# KiCad board Marble.kicad_pcb (continued)
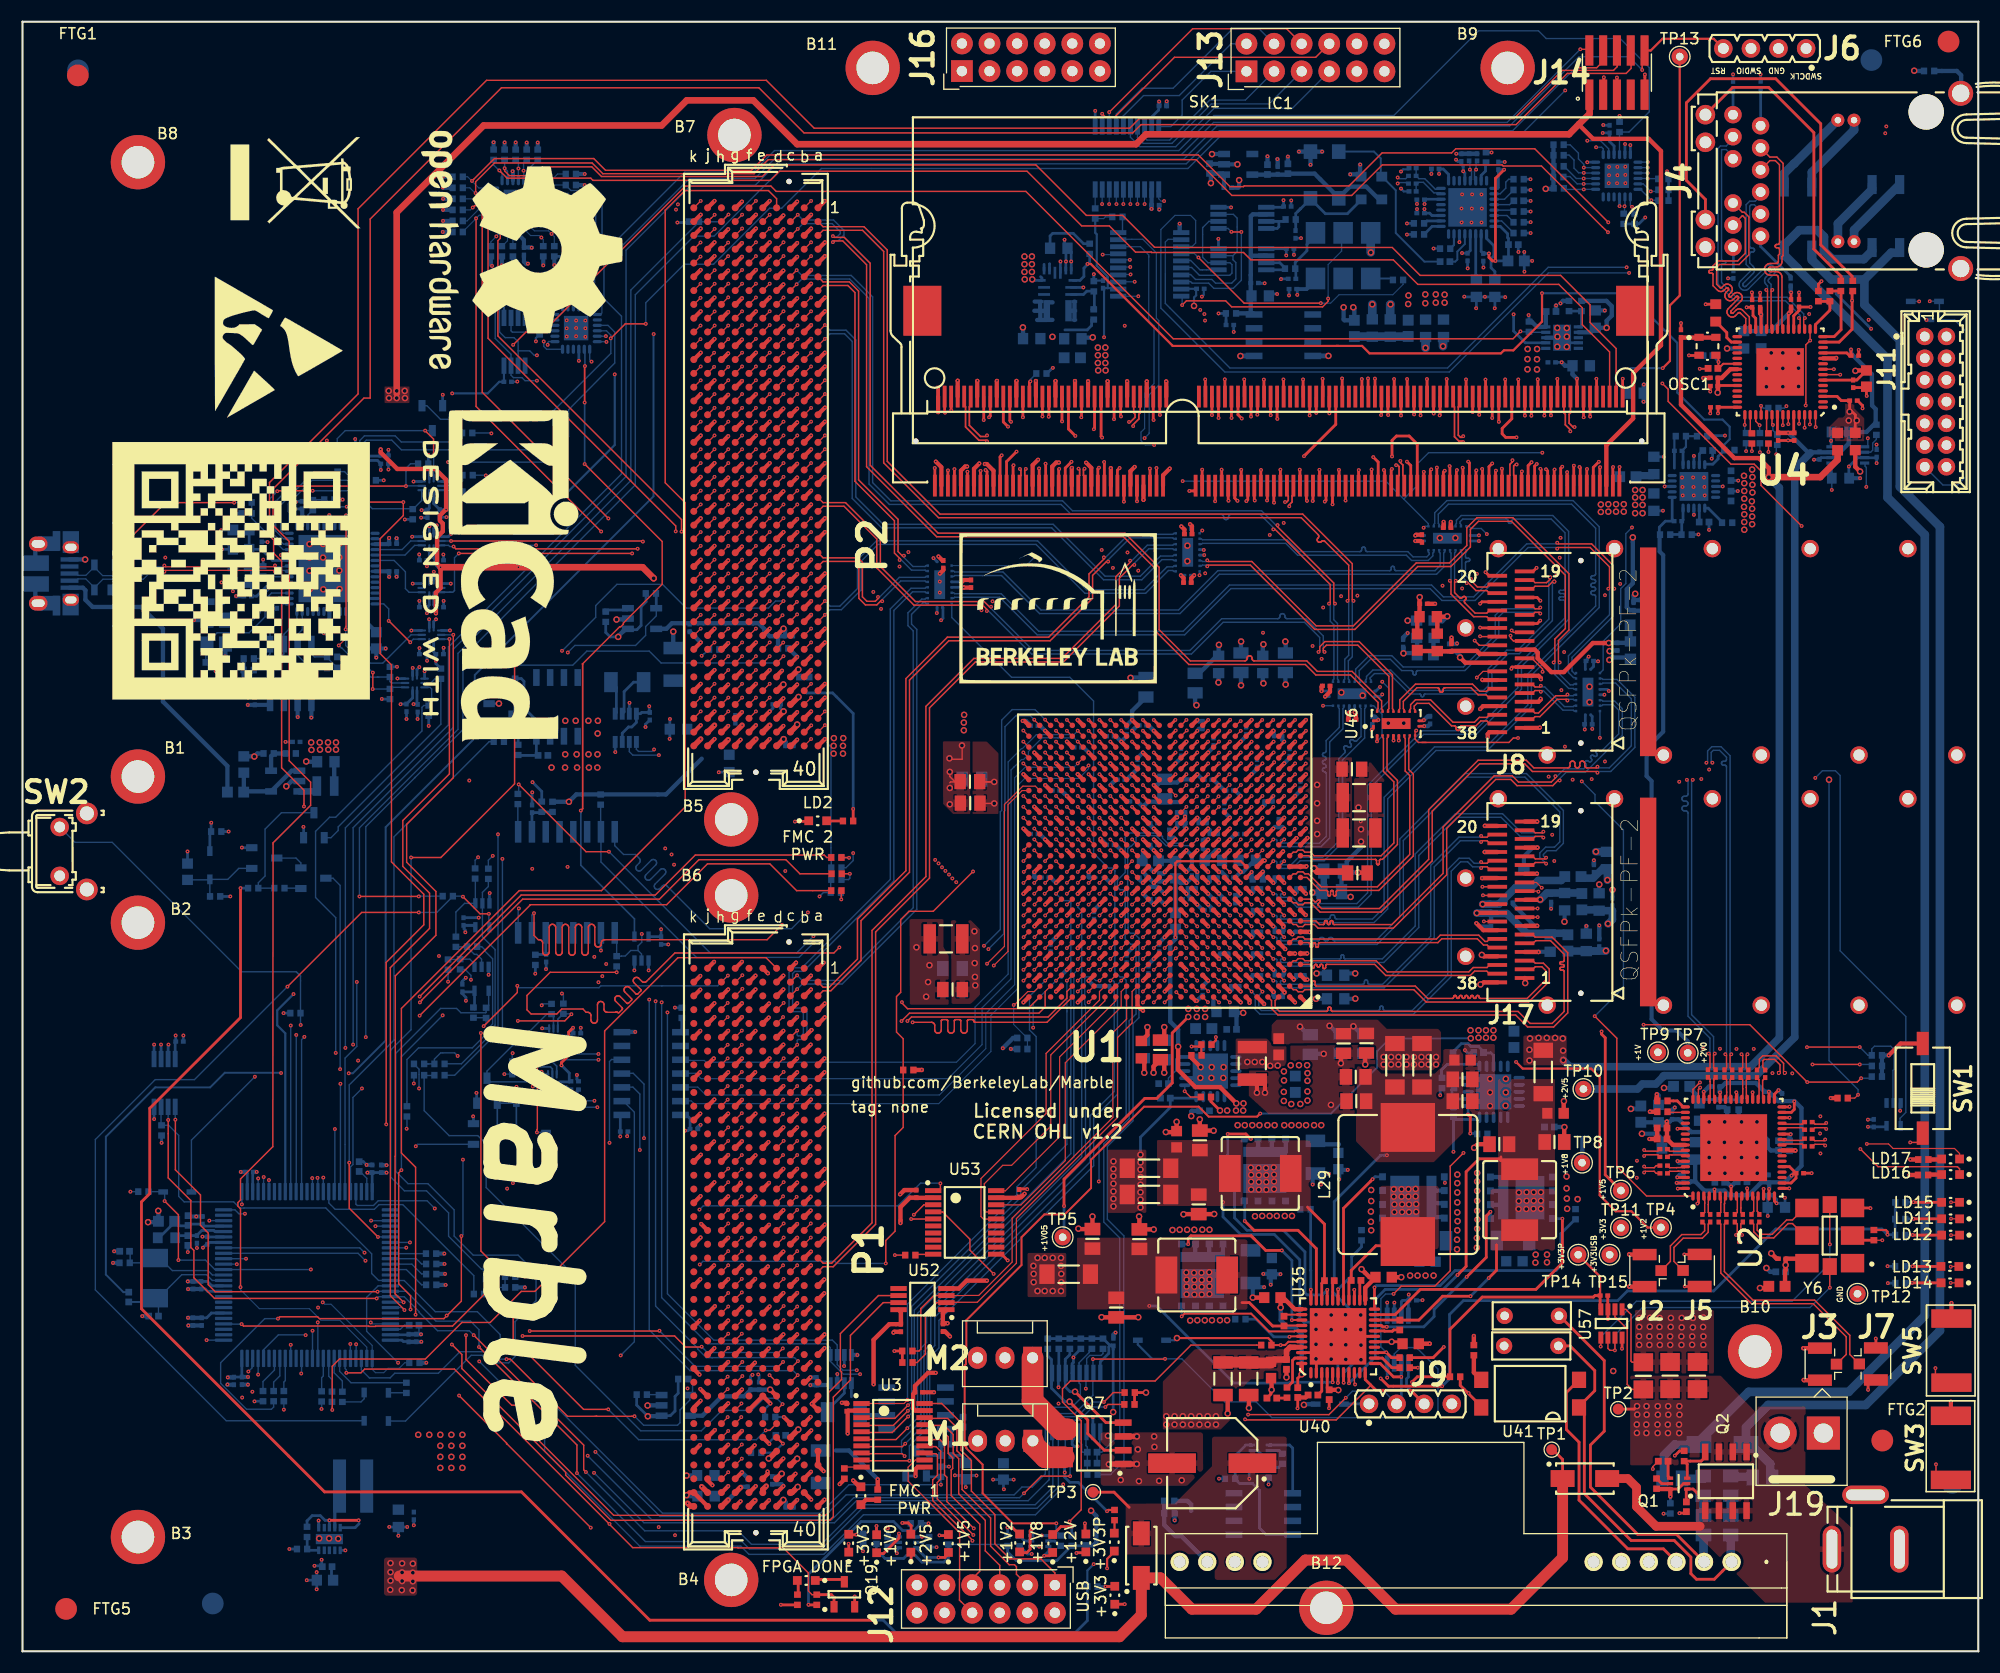
[diagram p0: board, top side]
## Routing (per net, layer and track width the routed paths; a pad name or vN(x,y) marks a point on that pad's centre or on a via; arc(x,y) is an arc through that point) (continued)
/SDRAM/DDR3_DQ24: length 39
  Top w0.254: U1.AA18 v1(100.12,80.73) ; SK1.57 100.77,108.71 v1(100.97,108.92)
  In4.Cu w0.135: v1(100.12,80.73) 100.78,81.39 102.27,81.39 103.46,82.58 103.46,100.14 103.47,100.21 103.49,100.27 103.53,100.33 103.58,100.37 103.63,100.41 103.7,100.43 103.76,100.44 103.88,100.44 103.95,100.45 104.02,100.47 104.07,100.51 104.12,100.55 104.16,100.61 104.18,100.67 104.18,100.74 104.18,100.81 104.16,100.87 104.12,100.93 104.07,100.97 104.02,101.01 103.95,101.03 103.88,101.04 102.89,101.04 102.83,101.05 102.76,101.07 102.71,101.11 102.66,101.15 102.62,101.21 102.6,101.27 102.59,101.34 102.6,101.41 102.62,101.47 102.66,101.53 102.71,101.57 102.76,101.61 102.83,101.63 102.89,101.64 103.16,101.64 103.23,101.65 103.29,101.67 103.35,101.71 103.4,101.75 103.43,101.81 103.46,101.87 103.46,101.94 103.46,102.39 103.19,102.67 103.15,102.72 103.12,102.78 103.1,102.85 103.1,102.91 103.12,102.98 103.15,103.04 103.19,103.09 103.38,103.28 103.42,103.34 103.45,103.4 103.46,103.46 103.46,103.53 103.45,103.59 103.42,103.65 103.38,103.71 103.33,103.75 103.27,103.78 103.2,103.79 103.13,103.79 103.07,103.78 103.01,103.75 102.95,103.71 102.15,102.9 102.1,102.86 102.03,102.83 101.97,102.81 101.9,102.81 101.84,102.83 101.78,102.86 101.72,102.9 101.68,102.95 101.65,103.01 101.64,103.08 101.64,103.15 101.65,103.21 101.68,103.27 101.72,103.32 101.91,103.52 101.96,103.57 101.99,103.63 102,103.69 102,103.76 101.99,103.83 101.96,103.89 101.91,103.94 100.97,104.88 v1(100.97,108.92)
/SDRAM/DDR3_DQ25: length 39
  Top w0.254: SK1.59 v1(101.37,105.82) ; U1.AB16 v1(102.12,81.73)
  In2.Cu w0.135: v1(101.37,105.82) 100.58,105.03 100.55,105.01 100.51,104.99 100.48,104.98 100.44,104.98 100.4,104.99 100.36,105.01 100.3,105.06 100.27,105.07 100.23,105.08 100.19,105.08 100.15,105.07 100.12,105.06 100.09,105.03 99.91,104.86 99.88,104.83 99.87,104.79 99.86,104.75 99.86,104.71 99.87,104.67 99.88,104.64 99.91,104.61 100.46,104.06 100.5,104.01 100.53,103.95 100.54,103.88 100.54,103.82 100.53,103.75 100.5,103.69 100.46,103.64 100.4,103.59 100.34,103.57 100.28,103.55 100.21,103.55 100.15,103.57 100.08,103.59 100.03,103.64 99.48,104.18 99.45,104.21 99.42,104.23 99.38,104.23 99.34,104.23 99.3,104.23 99.27,104.21 99.24,104.18 99.06,104.01 99.04,103.98 99.02,103.94 99.01,103.9 99.01,103.86 99.02,103.83 99.04,103.79 99.08,103.73 99.1,103.69 99.11,103.66 99.11,103.62 99.1,103.58 99.08,103.54 99.06,103.51 98.26,102.71 98.26,99.55 99.21,98.59 99.25,98.55 99.27,98.49 99.29,98.43 99.29,98.37 99.27,98.31 99.25,98.25 99.17,98.16 99.14,98.1 99.13,98.04 99.13,97.98 99.14,97.92 99.17,97.86 99.21,97.82 99.24,97.78 99.29,97.74 99.35,97.71 99.41,97.7 99.47,97.7 99.53,97.71 99.59,97.74 99.63,97.78 100.25,98.4 100.31,98.44 100.37,98.47 100.43,98.48 100.5,98.48 100.56,98.47 100.62,98.44 100.68,98.4 100.72,98.35 100.75,98.29 100.76,98.22 100.76,98.15 100.75,98.09 100.72,98.03 100.68,97.97 100.06,97.36 100.02,97.31 99.99,97.25 99.98,97.19 99.98,97.13 99.99,97.07 100.02,97.02 100.06,96.97 100.09,96.93 100.14,96.89 100.2,96.87 100.26,96.85 100.32,96.85 100.38,96.87 100.43,96.89 100.48,96.93 101.1,97.55 101.15,97.59 101.21,97.62 101.28,97.64 101.35,97.64 101.41,97.62 101.47,97.59 101.53,97.55 101.57,97.5 101.6,97.44 101.61,97.37 101.61,97.3 101.6,97.24 101.57,97.18 101.53,97.13 101.31,96.91 101.27,96.86 101.24,96.8 101.23,96.74 101.23,96.67 101.24,96.6 101.27,96.54 101.31,96.49 101.78,96.03 101.78,93.46 101.78,93.41 101.8,93.36 101.82,93.32 101.86,93.28 101.9,93.26 101.95,93.24 102.04,93.23 102.09,93.21 102.13,93.19 102.16,93.15 102.19,93.11 102.21,93.07 102.21,93.02 102.21,92.91 102.21,92.86 102.19,92.81 102.16,92.77 102.13,92.73 102.09,92.71 102.04,92.69 101.99,92.69 101.66,92.69 101.63,92.68 101.61,92.67 101.58,92.66 101.56,92.64 101.55,92.62 101.54,92.59 101.54,92.57 101.54,92.26 101.54,92.23 101.55,92.2 101.56,92.18 101.58,92.16 101.61,92.15 101.63,92.14 101.66,92.14 101.99,92.14 102.04,92.13 102.09,92.11 102.13,92.09 102.16,92.05 102.19,92.01 102.21,91.97 102.21,91.92 102.21,91.81 102.21,91.76 102.19,91.71 102.16,91.67 102.13,91.63 102.09,91.61 102.04,91.59 101.99,91.59 101.66,91.59 101.63,91.58 101.61,91.57 101.58,91.56 101.56,91.54 101.55,91.52 101.54,91.49 101.54,91.47 101.54,91.16 101.54,91.13 101.55,91.1 101.56,91.08 101.58,91.06 101.61,91.05 101.63,91.04 101.66,91.04 101.78,91.04 101.78,91.03 101.99,91.03 102.04,91.02 102.09,91.01 102.13,90.98 102.16,90.95 102.19,90.91 102.21,90.86 102.21,90.81 102.21,90.7 102.21,90.65 102.19,90.6 102.16,90.56 102.13,90.53 102.09,90.5 102.04,90.49 101.95,90.47 101.9,90.46 101.86,90.43 101.82,90.4 101.8,90.36 101.78,90.31 101.78,90.26 101.78,90.07 101.51,89.8 101.51,89.38 101.74,89.15 101.74,82.11 v1(102.12,81.73)
/SDRAM/DDR3_DQ26: length 39.1
  Top w0.254: U1.AA14 v1(104.12,80.73) ; SK1.67 103.77,108.86 v1(103.76,108.87)
  In2.Cu w0.135: v1(103.76,108.87) 103.76,109.32 104.19,109.76 104.19,110.4 103.97,110.62 103.41,110.62 102.82,110.02 102.82,108.96 102.81,108.94 102.81,108.92 102.8,108.91 102.79,108.9 102.77,108.89 102.76,108.88 102.72,108.88 102.71,108.87 102.69,108.87 102.68,108.85 102.67,108.84 102.67,108.82 102.67,108.81 102.67,108.36 102.67,108.34 102.67,108.32 102.68,108.31 102.69,108.3 102.71,108.29 102.72,108.28 102.74,108.28 103.47,108.28 103.53,108.27 103.6,108.25 103.65,108.22 103.7,108.17 103.74,108.11 103.76,108.05 103.77,107.98 103.76,107.91 103.74,107.85 103.7,107.79 103.65,107.75 103.6,107.71 103.53,107.69 103.47,107.68 103.12,107.68 103.05,107.67 102.99,107.65 102.93,107.62 102.88,107.57 102.85,107.51 102.82,107.45 102.82,107.38 102.82,107.23 103.77,106.28 103.77,105.87 103.76,105.83 103.75,105.8 103.73,105.76 103.7,105.74 103.67,105.71 103.63,105.7 103.56,105.69 103.52,105.68 103.49,105.66 103.46,105.63 103.44,105.6 103.43,105.56 103.42,105.52 103.42,105.27 103.43,105.23 103.44,105.2 103.46,105.16 103.49,105.14 103.52,105.11 103.56,105.1 103.63,105.09 103.67,105.08 103.7,105.06 103.73,105.03 103.75,105 103.76,104.96 103.77,104.92 103.77,104.67 103.77,104.65 103.76,104.64 103.75,104.62 103.74,104.61 103.73,104.6 103.71,104.6 103.68,104.6 103.66,104.59 103.65,104.58 103.64,104.57 103.63,104.56 103.62,104.54 103.62,104.52 103.62,104.07 103.62,104.05 103.63,104.04 103.64,104.02 103.65,104.01 103.66,104 103.68,104 103.71,104 103.73,103.99 103.74,103.98 103.75,103.97 103.76,103.96 103.77,103.94 103.77,103.92 103.77,100.87 103.77,100.86 103.76,100.85 103.76,100.84 103.75,100.83 103.74,100.83 103.73,100.82 103.71,100.82 103.7,100.82 103.69,100.81 103.68,100.8 103.67,100.79 103.67,100.78 103.67,100.77 103.67,100.27 103.67,100.26 103.67,100.25 103.68,100.24 103.69,100.23 103.7,100.23 103.71,100.22 103.73,100.22 103.74,100.22 103.75,100.21 103.76,100.2 103.76,100.19 103.77,100.18 103.77,100.17 103.77,99.67 103.77,99.64 103.75,99.61 103.74,99.58 103.71,99.55 103.69,99.54 103.65,99.53 103.59,99.52 103.56,99.51 103.53,99.49 103.51,99.47 103.49,99.44 103.48,99.41 103.47,99.37 103.47,99.07 103.48,99.04 103.49,99.01 103.51,98.98 103.53,98.95 103.56,98.94 103.59,98.93 103.65,98.92 103.69,98.91 103.71,98.89 103.74,98.87 103.75,98.84 103.77,98.81 103.77,98.77 103.77,98.47 103.77,98.44 103.75,98.41 103.74,98.38 103.71,98.35 103.69,98.34 103.65,98.33 103.59,98.32 103.56,98.31 103.53,98.29 103.51,98.27 103.49,98.24 103.48,98.21 103.47,98.17 103.47,97.87 103.48,97.84 103.49,97.81 103.51,97.78 103.53,97.75 103.56,97.74 103.59,97.73 103.65,97.72 103.69,97.71 103.71,97.69 103.74,97.67 103.75,97.64 103.77,97.61 103.77,97.57 103.77,97.07 103.77,97.06 103.76,97.05 103.76,97.04 103.75,97.03 103.74,97.03 103.73,97.02 103.71,97.02 103.7,97.02 103.69,97.01 103.68,97 103.67,96.99 103.67,96.98 103.67,96.97 103.67,96.47 103.67,96.46 103.67,96.45 103.68,96.44 103.69,96.43 103.7,96.43 103.71,96.42 103.73,96.42 103.74,96.42 103.75,96.41 103.76,96.4 103.76,96.39 103.77,96.38 103.77,96.37 103.77,95.87 103.77,95.86 103.76,95.85 103.76,95.84 103.75,95.83 103.74,95.83 103.73,95.82 103.71,95.82 103.7,95.82 103.69,95.81 103.68,95.8 103.67,95.79 103.67,95.78 103.67,95.77 103.67,95.27 103.67,95.26 103.67,95.25 103.68,95.24 103.69,95.23 103.7,95.23 103.71,95.22 103.73,95.22 103.74,95.22 103.75,95.21 103.76,95.2 103.76,95.19 103.77,95.18 103.77,95.17 103.77,94.67 103.77,94.66 103.76,94.65 103.76,94.64 103.75,94.63 103.74,94.63 103.73,94.62 103.71,94.62 103.7,94.62 103.69,94.61 103.68,94.6 103.67,94.59 103.67,94.58 103.67,94.57 103.67,94.07 103.67,94.06 103.67,94.05 103.68,94.04 103.69,94.03 103.7,94.03 103.71,94.02 103.73,94.02 103.74,94.02 103.75,94.01 103.76,94 103.76,93.99 103.77,93.98 103.77,93.97 103.77,93.47 103.77,93.46 103.76,93.45 103.76,93.44 103.75,93.43 103.74,93.43 103.73,93.42 103.71,93.42 103.7,93.42 103.69,93.41 103.68,93.4 103.67,93.39 103.67,93.38 103.67,93.37 103.67,92.87 103.67,92.86 103.67,92.85 103.68,92.84 103.69,92.83 103.7,92.83 103.71,92.82 103.73,92.82 103.74,92.82 103.75,92.81 103.76,92.8 103.76,92.79 103.77,92.78 103.77,92.77 103.77,81.59 104.12,81.24 v1(104.12,80.73)
/SDRAM/DDR3_DQ27: length 39
  Top w0.254: v1(104.37,108.92) 104.37,108.82 104.37,108.82 SK1.69 ; U1.AD14 v1(104.12,83.73)
  In2.Cu w0.135: v1(104.37,108.92) 104.19,108.74 104.19,108.11 104.19,108.09 104.18,108.07 104.17,108.06 104.16,108.05 104.15,108.04 104.13,108.03 104.1,108.03 104.08,108.02 104.07,108.01 104.05,108 104.05,107.99 104.04,107.97 104.04,107.96 104.04,107.51 104.04,107.49 104.05,107.47 104.05,107.46 104.07,107.45 104.08,107.44 104.1,107.43 104.11,107.43 104.19,107.43 104.34,107.43 104.37,107.43 104.4,107.42 104.43,107.4 104.45,107.37 104.47,107.35 104.48,107.31 104.49,107.28 104.49,106.98 104.48,106.95 104.47,106.92 104.45,106.89 104.43,106.86 104.4,106.85 104.37,106.83 104.34,106.83 104.11,106.83 104.1,106.83 104.08,106.82 104.07,106.81 104.05,106.8 104.05,106.79 104.04,106.77 104.04,106.76 104.04,106.31 104.04,106.29 104.05,106.27 104.05,106.26 104.07,106.25 104.08,106.24 104.1,106.23 104.11,106.23 104.34,106.23 104.37,106.23 104.4,106.22 104.43,106.2 104.45,106.17 104.47,106.15 104.48,106.11 104.49,106.08 104.49,105.78 104.48,105.75 104.47,105.72 104.45,105.69 104.43,105.66 104.4,105.65 104.37,105.63 104.34,105.63 104.11,105.63 104.1,105.63 104.08,105.62 104.07,105.61 104.05,105.6 104.05,105.59 104.04,105.57 104.04,105.56 104.04,105.11 104.04,105.09 104.05,105.07 104.05,105.06 104.07,105.05 104.08,105.04 104.1,105.03 104.11,105.03 104.34,105.03 104.37,105.03 104.4,105.02 104.43,105 104.45,104.97 104.47,104.95 104.48,104.91 104.49,104.88 104.49,104.58 104.48,104.55 104.47,104.52 104.45,104.49 104.43,104.46 104.4,104.45 104.37,104.43 104.34,104.43 104.11,104.43 104.1,104.43 104.08,104.42 104.07,104.41 104.05,104.4 104.05,104.39 104.04,104.37 104.04,104.36 104.04,103.91 104.04,103.89 104.05,103.87 104.05,103.86 104.07,103.85 104.08,103.84 104.1,103.83 104.11,103.83 104.34,103.83 104.37,103.83 104.4,103.82 104.43,103.8 104.45,103.77 104.47,103.75 104.48,103.71 104.49,103.68 104.49,103.38 104.48,103.35 104.47,103.32 104.45,103.29 104.43,103.26 104.4,103.25 104.37,103.23 104.34,103.23 104.11,103.23 104.1,103.23 104.08,103.22 104.07,103.21 104.05,103.2 104.05,103.19 104.04,103.17 104.04,103.16 104.04,102.71 104.04,102.69 104.05,102.67 104.05,102.66 104.07,102.65 104.08,102.64 104.1,102.63 104.11,102.63 104.34,102.63 104.37,102.63 104.4,102.62 104.43,102.6 104.45,102.57 104.47,102.55 104.48,102.51 104.49,102.48 104.49,102.18 104.48,102.15 104.47,102.12 104.45,102.09 104.43,102.06 104.4,102.05 104.37,102.03 104.34,102.03 104.11,102.03 104.1,102.03 104.08,102.02 104.07,102.01 104.05,102 104.05,101.99 104.04,101.97 104.04,101.96 104.04,101.51 104.04,101.49 104.05,101.47 104.05,101.46 104.07,101.45 104.08,101.44 104.1,101.43 104.11,101.43 104.34,101.43 104.37,101.43 104.4,101.42 104.43,101.4 104.45,101.37 104.47,101.35 104.48,101.31 104.49,101.28 104.49,100.98 104.48,100.95 104.47,100.92 104.45,100.89 104.43,100.86 104.4,100.85 104.37,100.83 104.34,100.83 104.11,100.83 104.1,100.83 104.08,100.82 104.07,100.81 104.05,100.8 104.05,100.79 104.04,100.77 104.04,100.76 104.04,100.31 104.04,100.29 104.05,100.27 104.05,100.26 104.07,100.25 104.08,100.24 104.1,100.23 104.11,100.23 104.34,100.23 104.37,100.23 104.4,100.22 104.43,100.2 104.45,100.17 104.47,100.15 104.48,100.11 104.49,100.08 104.49,99.78 104.48,99.75 104.47,99.72 104.45,99.69 104.43,99.66 104.4,99.65 104.37,99.63 104.34,99.63 104.11,99.63 104.1,99.63 104.08,99.62 104.07,99.61 104.05,99.6 104.05,99.59 104.04,99.57 104.04,99.56 104.04,99.11 104.04,99.09 104.05,99.07 104.05,99.06 104.07,99.05 104.08,99.04 104.1,99.03 104.11,99.03 104.34,99.03 104.37,99.03 104.4,99.02 104.43,99 104.45,98.97 104.47,98.95 104.48,98.91 104.49,98.88 104.49,98.58 104.48,98.55 104.47,98.52 104.45,98.49 104.43,98.46 104.4,98.45 104.37,98.43 104.34,98.43 104.11,98.43 104.1,98.43 104.08,98.42 104.07,98.41 104.05,98.4 104.05,98.39 104.04,98.37 104.04,98.36 104.04,97.91 104.04,97.89 104.05,97.87 104.05,97.86 104.07,97.85 104.08,97.84 104.1,97.83 104.11,97.83 104.34,97.83 104.37,97.83 104.4,97.82 104.43,97.8 104.45,97.77 104.47,97.75 104.48,97.71 104.49,97.68 104.49,97.38 104.48,97.35 104.47,97.32 104.45,97.29 104.43,97.26 104.4,97.25 104.37,97.23 104.34,97.23 104.11,97.23 104.1,97.23 104.08,97.22 104.07,97.21 104.05,97.2 104.05,97.19 104.04,97.17 104.04,97.16 104.04,96.71 104.04,96.69 104.05,96.67 104.05,96.66 104.07,96.65 104.08,96.64 104.1,96.63 104.11,96.63 104.34,96.63 104.37,96.63 104.4,96.62 104.43,96.6 104.45,96.57 104.47,96.55 104.48,96.51 104.49,96.48 104.49,96.18 104.48,96.15 104.47,96.12 104.45,96.09 104.43,96.06 104.4,96.05 104.37,96.03 104.34,96.03 104.11,96.03 104.1,96.03 104.08,96.02 104.07,96.01 104.05,96 104.05,95.99 104.04,95.97 104.04,95.96 104.04,95.51 104.04,95.49 104.05,95.47 104.05,95.46 104.07,95.45 104.08,95.44 104.1,95.43 104.11,95.43 104.34,95.43 104.37,95.43 104.4,95.42 104.43,95.4 104.45,95.37 104.47,95.35 104.48,95.31 104.49,95.28 104.49,94.98 104.48,94.95 104.47,94.92 104.45,94.89 104.43,94.86 104.4,94.85 104.37,94.83 104.34,94.83 104.11,94.83 104.1,94.83 104.08,94.82 104.07,94.81 104.05,94.8 104.05,94.79 104.04,94.77 104.04,94.76 104.04,94.31 104.04,94.29 104.05,94.27 104.05,94.26 104.07,94.25 104.08,94.24 104.1,94.23 104.11,94.23 104.34,94.23 104.37,94.23 104.4,94.22 104.43,94.2 104.45,94.17 104.47,94.15 104.48,94.11 104.49,94.08 104.49,93.78 104.48,93.75 104.47,93.72 104.45,93.69 104.43,93.66 104.4,93.65 104.37,93.63 104.34,93.63 104.11,93.63 104.1,93.63 104.08,93.62 104.07,93.61 104.05,93.6 104.05,93.59 104.04,93.57 104.04,93.56 104.04,93.11 104.04,93.09 104.05,93.07 104.05,93.06 104.07,93.05 104.08,93.04 104.1,93.03 104.11,93.03 104.34,93.03 104.37,93.03 104.4,93.02 104.43,93 104.45,92.97 104.47,92.95 104.48,92.91 104.49,92.88 104.49,92.58 104.48,92.55 104.47,92.52 104.45,92.49 104.43,92.46 104.4,92.45 104.37,92.43 104.34,92.43 104.11,92.43 104.1,92.43 104.08,92.42 104.07,92.41 104.05,92.4 104.05,92.39 104.04,92.37 104.04,92.36 104.04,91.91 104.04,91.89 104.05,91.87 104.05,91.86 104.07,91.85 104.08,91.84 104.1,91.83 104.11,91.83 104.34,91.83 104.37,91.83 104.4,91.82 104.43,91.8 104.45,91.77 104.47,91.75 104.48,91.71 104.49,91.68 104.49,91.38 104.48,91.35 104.47,91.32 104.45,91.29 104.43,91.26 104.4,91.25 104.37,91.23 104.34,91.23 104.11,91.23 104.1,91.23 104.08,91.22 104.07,91.21 104.05,91.2 104.05,91.19 104.04,91.17 104.04,91.16 104.04,90.71 104.04,90.69 104.05,90.67 104.05,90.66 104.07,90.65 104.08,90.64 104.1,90.63 104.11,90.63 104.34,90.63 104.37,90.63 104.4,90.62 104.43,90.6 104.45,90.57 104.47,90.55 104.48,90.51 104.49,90.48 104.49,90.18 104.48,90.15 104.47,90.12 104.45,90.09 104.43,90.06 104.4,90.05 104.37,90.03 104.34,90.03 104.11,90.03 104.1,90.03 104.08,90.02 104.07,90.01 104.05,90 104.05,89.99 104.04,89.97 104.04,89.96 104.04,89.51 104.04,89.49 104.05,89.47 104.05,89.46 104.07,89.45 104.08,89.44 104.1,89.43 104.11,89.43 104.34,89.43 104.37,89.43 104.4,89.42 104.43,89.4 104.45,89.37 104.47,89.35 104.48,89.31 104.49,89.28 104.49,88.98 104.48,88.95 104.47,88.92 104.45,88.89 104.43,88.86 104.4,88.85 104.37,88.83 104.3,88.83 104.27,88.82 104.24,88.8 104.22,88.77 104.2,88.75 104.19,88.71 104.19,88.68 104.19,86.44 104.46,86.16 104.46,84.07 v1(104.12,83.73)
/SDRAM/DDR3_DQ28: length 39
  Top w0.254: v1(100.45,113.41) 100.47,113.43 SK1.56 ; U1.AB15 v1(103.12,81.73)
  In4.Cu w0.135: v1(100.45,113.41) 102.02,111.85 102.02,111.57 102.01,111.51 101.99,111.44 101.95,111.39 101.9,111.34 101.85,111.3 101.78,111.28 101.72,111.27 101.56,111.27 101.49,111.27 101.43,111.24 101.37,111.21 101.33,111.16 101.29,111.1 101.27,111.04 101.26,110.97 101.27,110.91 101.29,110.84 101.33,110.79 101.37,110.74 101.43,110.7 101.49,110.68 101.56,110.67 102.47,110.67 102.54,110.67 102.6,110.64 102.66,110.61 102.71,110.56 102.74,110.5 102.76,110.44 102.77,110.37 102.76,110.31 102.74,110.24 102.71,110.19 102.66,110.14 102.6,110.1 102.54,110.08 102.47,110.07 102.32,110.07 102.25,110.07 102.19,110.04 102.13,110.01 102.08,109.96 102.05,109.9 102.02,109.84 102.02,109.77 102.02,105.49 103.45,104.14 104.51,103.09 104.51,95.8 103.74,95.04 103.74,82.35 v1(103.12,81.73)
/SDRAM/DDR3_DQ29: length 39
  Top w0.254: U1.AA17 v1(101.12,80.73) ; v1(101.1,113.67) 101.07,113.7 SK1.58
  In2.Cu w0.135: v1(101.12,80.73) 101.46,81.07 101.46,88.39 101.13,88.73 101.13,90.41 101.24,90.53 101.24,95.43 97.37,99.3 97.37,102.67 100.56,105.86 100.56,112.88 101.1,113.42 v1(101.1,113.67)
/SDRAM/DDR3_DQ30: length 39.1
  Top w0.254: SK1.68 104.07,113.37 v1(104.1,113.34) ; U1.AC14 v1(104.12,82.73)
  In2.Cu w0.135: v1(104.1,113.34) 104.1,114.27 104.33,114.49 104.33,114.89 104.06,115.15 103.44,115.15 103.1,114.81 103.1,113.17 104.76,111.51 104.76,86.67 104.85,86.58 104.85,83.46 v1(104.12,82.73)
/SDRAM/DDR3_DQ31: length 39
  Top w0.254: v1(104.68,113.81) 104.67,113.82 SK1.70 ; U1.AB14 v1(104.12,81.73)
  In2.Cu w0.135: v1(104.12,81.73) 105.19,82.8 105.19,110.05 105.2,110.1 105.21,110.15 105.24,110.19 105.28,110.22 105.32,110.25 105.37,110.27 105.42,110.27 106.02,110.27 106.07,110.28 106.11,110.3 106.16,110.32 106.19,110.36 106.22,110.4 106.24,110.45 106.24,110.5 106.24,110.55 106.22,110.6 106.19,110.64 106.16,110.67 106.11,110.7 106.07,110.72 106.02,110.72 105.12,110.72 105.1,110.73 105.08,110.73 105.07,110.74 105.06,110.75 105.05,110.77 105.04,110.78 105.04,110.8 105.04,111.1 105.04,111.12 105.05,111.13 105.06,111.15 105.07,111.16 105.08,111.17 105.1,111.17 105.12,111.17 106.02,111.17 106.07,111.18 106.11,111.2 106.16,111.22 106.19,111.26 106.22,111.3 106.24,111.35 106.24,111.4 106.24,111.45 106.22,111.5 106.19,111.54 106.16,111.57 106.11,111.6 106.07,111.62 106.02,111.62 105.42,111.62 105.37,111.63 105.32,111.65 105.28,111.67 105.24,111.71 105.21,111.75 105.2,111.8 105.19,111.85 105.19,113.3 v1(104.68,113.81)
/SDRAM/DDR3_DQ32: length 44.4
  Top w0.254: U1.AD6 v1(113.12,83.73) ; v1(124.32,109.92) 124.77,109.47 SK1.129
  In4.Cu w0.135: v1(113.12,83.73) 112.78,84.07 112.78,86.1 113.01,86.34 113.01,89.74 114.74,91.46 114.74,97.38 123.33,105.97 123.33,114.5 123.52,114.68 123.94,114.68 124.32,114.3 v1(124.32,109.92)
/SDRAM/DDR3_DQ33: length 44.4
  Top w0.254: U1.AB6 v1(113.12,81.73) ; SK1.131 125.37,108.66 v1(125.29,108.73)
  In4.Cu w0.135: v1(113.12,81.73) 113.47,82.08 113.47,89.32 115.26,91.11 115.26,97.19 124.14,106.07 124.14,108.05 124.62,108.54 124.62,109.68 124.77,109.83 124.77,112.94 125,113.16 125.77,113.16 126.36,112.56 126.36,111.88 125.29,110.81 v1(125.29,108.73)
/SDRAM/DDR3_DQ34: length 44.4
  Top w0.254: U1.Y6 v1(113.12,79.73) ; SK1.141 128.37,111.12 127.62,111.86 126.45,111.86 126.04,111.46 v1(126.04,109.99)
  In4.Cu w0.135: v1(126.04,109.99) 125.64,109.58 125.64,107.06 115.76,97.18 115.76,89.74 114.67,88.65 113.75,87.71 113.75,84.87 113.73,84.85 113.73,80.34 v1(113.12,79.73)
/SDRAM/DDR3_DQ35: length 44.4
  Top w0.2: 115.12,82.73 v1(115.15,82.73)
  Top w0.254: SK1.143 128.97,108.56 v1(128.97,108.56) ; U1.AC4 115.12,82.73
  In7.Cu w0.135: v1(128.97,108.56) 128.93,108.52 128.93,107.03 123.62,101.72 123.62,101.28 123.61,101.21 123.59,101.15 123.55,101.09 123.51,101.04 123.45,101.01 123.39,100.98 123.32,100.98 123.11,100.98 123.04,100.97 122.98,100.95 122.92,100.91 122.87,100.86 122.84,100.81 122.81,100.74 122.81,100.68 122.81,100.61 122.84,100.55 122.87,100.49 122.92,100.44 122.98,100.41 123.04,100.38 123.11,100.38 123.98,100.38 124.05,100.37 124.11,100.35 124.17,100.31 124.22,100.26 124.25,100.21 124.27,100.14 124.28,100.08 124.27,100.01 124.25,99.95 124.22,99.89 124.17,99.84 124.11,99.81 124.05,99.78 123.98,99.78 123.11,99.78 123.04,99.77 122.98,99.75 122.92,99.71 122.87,99.66 122.84,99.61 122.81,99.54 122.81,99.48 122.81,99.41 122.84,99.35 122.87,99.29 122.92,99.24 122.98,99.21 123.04,99.18 123.11,99.18 123.98,99.18 124.05,99.17 124.11,99.15 124.17,99.11 124.22,99.06 124.25,99.01 124.27,98.94 124.28,98.88 124.27,98.81 124.25,98.75 124.22,98.69 124.17,98.64 124.11,98.61 124.05,98.58 123.98,98.58 123.92,98.58 123.85,98.57 123.79,98.55 123.73,98.51 123.68,98.46 123.65,98.41 123.63,98.34 123.62,98.28 123.62,93.98 123.02,93.39 122.97,93.35 122.91,93.32 122.84,93.3 122.78,93.3 122.71,93.32 122.65,93.35 122.6,93.39 122.35,93.63 122.3,93.68 122.24,93.71 122.17,93.72 122.11,93.72 122.04,93.71 121.98,93.68 121.93,93.63 121.89,93.58 121.86,93.52 121.84,93.46 121.84,93.39 121.86,93.32 121.89,93.26 121.93,93.21 122.46,92.68 122.47,92.66 122.48,92.64 122.49,92.62 122.49,92.6 122.48,92.58 122.47,92.56 122.46,92.54 122.17,92.26 122.16,92.24 122.14,92.23 122.12,92.23 122.09,92.23 122.07,92.23 122.05,92.24 122.02,92.27 122,92.28 121.97,92.28 121.95,92.28 121.93,92.28 121.91,92.27 121.89,92.26 119.21,89.57 119.21,88.31 118.66,87.76 118.62,87.71 118.59,87.65 118.57,87.58 118.57,87.51 118.59,87.45 118.62,87.39 118.66,87.33 118.91,87.09 118.95,87.03 118.98,86.97 118.99,86.91 118.99,86.84 118.98,86.78 118.95,86.71 118.91,86.66 118.85,86.62 118.79,86.59 118.73,86.58 118.66,86.58 118.59,86.59 118.53,86.62 118.48,86.66 117.56,87.58 117.51,87.62 117.45,87.65 117.38,87.67 117.32,87.67 117.25,87.65 117.19,87.62 117.14,87.58 117.1,87.53 117.07,87.47 117.05,87.4 117.05,87.34 117.07,87.27 117.1,87.21 117.14,87.16 117.88,86.41 117.92,86.36 117.95,86.3 117.97,86.24 117.97,86.17 117.95,86.1 117.92,86.04 117.88,85.99 117.83,85.95 117.77,85.92 117.7,85.9 117.63,85.9 117.57,85.92 117.51,85.95 117.46,85.99 117.39,86.06 117.33,86.1 117.27,86.13 117.21,86.15 117.14,86.15 117.07,86.13 117.01,86.1 116.96,86.06 115.92,85.02 115.92,85.01 114.8,83.89 114.8,83.08 v1(115.15,82.73)
/SDRAM/DDR3_DQ36: length 44.5
  Top w0.254: SK1.130 125.07,113.82 v1(125.04,113.8) ; U1.AC6 v1(113.12,82.73)
  In4.Cu w0.135: v1(125.04,113.8) 125.04,115.74 124.5,116.28 123.61,116.28 122.6,115.27 122.6,105.89 113.7,96.99 113.7,91.28 112.67,90.25 112.67,88.74 112.46,88.54 112.46,83.39 v1(113.12,82.73)
/SDRAM/DDR3_DQ37: length 44.4
  Top w0.2: 115.2,81.81 v1(115.2,81.84)
  Top w0.254: SK1.132 125.67,113.82 v1(125.69,113.8) ; U1.AB4 115.2,81.81
  In4.Cu w0.135: v1(115.2,81.84) 115.78,82.42 115.78,85.94 117.69,87.85 117.69,94.16 118.75,95.23 118.75,97.03 127.98,106.25 127.98,111.51 126.43,113.06 126.43,115.38 126.35,115.46 125.78,115.46 125.69,115.37 v1(125.69,113.8)
/SDRAM/DDR3_DQ38: length 44.5
  Top w0.254: U1.AA4 v1(115.12,80.73) ; v1(128.08,113.86) 128.07,113.87 SK1.140
  In4.Cu w0.135: v1(115.12,80.73) 115.12,81.24 116.78,82.9 116.78,84.88 118.79,86.89 118.79,89.33 123.41,93.95 123.41,99.73 126.73,103.05 126.73,103.37 129.35,105.99 129.35,108.59 129.31,108.63 129.31,108.78 129.23,108.86 129.23,110.11 129.23,110.16 129.21,110.2 129.19,110.24 129.16,110.27 129.12,110.29 129.08,110.3 128.99,110.31 128.95,110.33 128.92,110.35 128.88,110.38 128.86,110.42 128.85,110.46 128.84,110.5 128.84,110.71 128.85,110.76 128.86,110.8 128.88,110.84 128.92,110.87 128.95,110.89 128.99,110.9 129.04,110.91 129.82,110.91 129.89,110.92 129.95,110.94 130.01,110.98 130.06,111.02 130.09,111.08 130.12,111.14 130.12,111.21 130.12,111.28 130.09,111.34 130.06,111.4 130.01,111.44 129.95,111.48 129.89,111.5 129.82,111.51 129.23,111.51 129.23,111.54 129.04,111.54 128.99,111.54 128.95,111.56 128.92,111.58 128.88,111.61 128.86,111.65 128.85,111.69 128.84,111.73 128.84,111.94 128.85,111.99 128.86,112.03 128.88,112.07 128.92,112.1 128.95,112.12 128.99,112.13 129.08,112.14 129.12,112.16 129.16,112.18 129.19,112.21 129.21,112.25 129.23,112.29 129.23,112.33 129.23,112.7 v1(128.08,113.86)
/SDRAM/DDR3_DQ39: length 44.4
  Top w0.254: U1.Y5 v1(114.12,79.73) ; v1(128.67,113.77) 128.67,113.78 SK1.142
  In4.Cu w0.135: v1(128.67,113.77) 130.54,111.9 130.54,106.62 127.21,103.29 127.21,102.81 124.11,99.71 124.09,99.71 124.09,93.96 119.17,89.04 119.17,86.27 118.17,85.27 118.15,85.27 117.66,84.78 117.66,82.76 114.63,79.73 v1(114.12,79.73)
